# KiCad board PANEL_COM_MOD.kicad_pcb (continued)
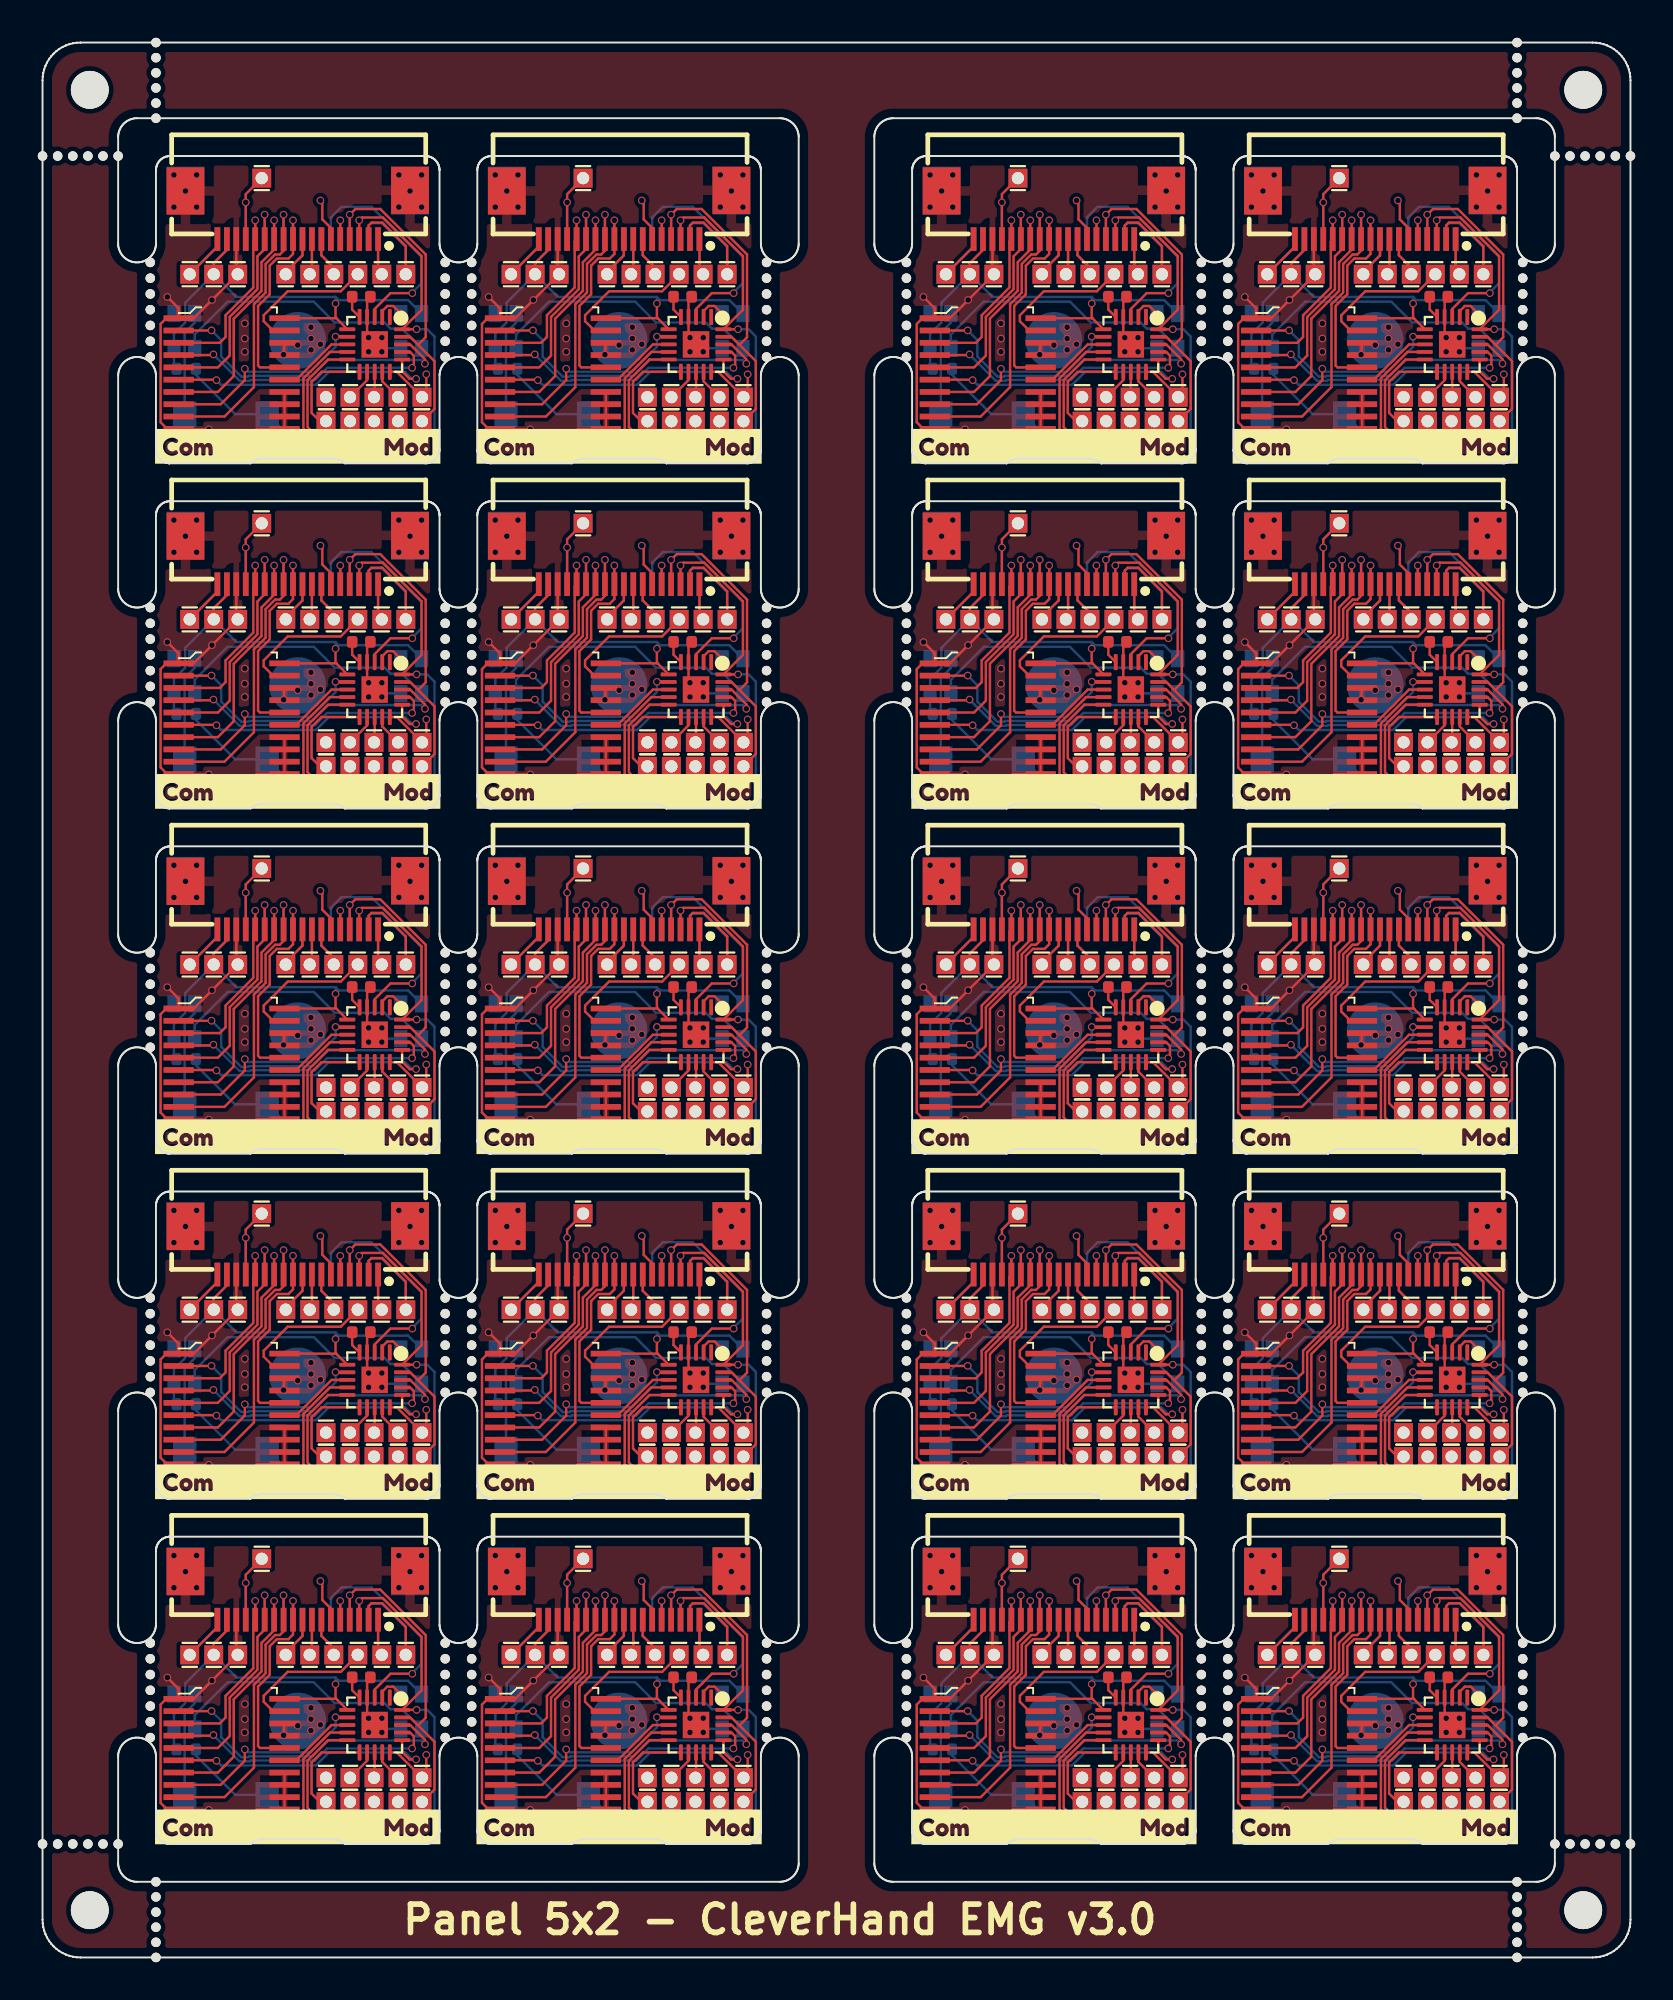
[diagram p0: board, top side]
## Routing (per net, layer and track width the routed paths; a pad name or vN(x,y) marks a point on that pad's centre or on a via; arc(x,y) is an arc through that point) (continued)
Board_11-/POCI: length 4.4
  Top w0.127: 70.75,54.33 70.75,53.5 69.86,52.62 J5#10.1
  Bottom w0.127: 70.75,54.33 70.75,53.5 69.86,52.62 J5#10.1
Board_11-/SCLK: length 4.2
  Top w0.127: J7#20.1 72.41,52.85 71.75,53.5 71.75,54.33
  Bottom w0.127: J7#20.1 72.41,52.85 71.75,53.5 71.75,54.33
Board_11-/SCLK_ARM: length 1.7
  Top w0.127: 73.27,46 74.17,46.9 U1#18.12
Board_11-/SPICS_ARM: length 9.9
  Top w0.127: 74.54,44.73 73.67,43.86 71.27,43.86 70.8,44.33 70.8,46.99 72.2,48.39 U1#18.9
Board_11-/SWDIO/POCI_ARM: length 1.7
  Top w0.127: 75.81,46 74.97,46.84 U1#18.14
Board_11-/Vcap: length 1.2
  Top w0.127: U1#18.5 73.38,50.63 C1#18.2
Board_11-GND: length 34.7
  Top w0.127: U2#3.11 68.32,44.33 v1(68.1,44.1) ; U2#3.11 U2#3.14 69.34,46.28 ; U2#3.11 70.45,44.33 ; U2#3.17 v1(69.75,48.25) U2#3.18 ; U2#3.1 65,50.18 v1(65.96,51.14) J2#17.1 67.25,52.58 67.25,54.33 ; U2#3.1 63.55,50.18 63.25,49.87 63.25,44.67 63.59,44.33 U2#3.10 64.22,44.3 v1(65.8,44.3) ; U2#3.1 64.2,50.7 v1(63.6,51.3) ; U1#18.21 74.25,49.11 v1(74.25,49.15) 74.21,49.15 74.17,49.19 U1#18.4 74.17,51.14 C1#18.1
  Bottom w0.127: 75.95,48.59 75.13,48.59 v1(74.95,48.4) 74.76,48.59 74.66,48.59 ; J2#17.1 67.25,52.58 67.25,54.33 ; 64.51,45.1 64.51,49.4 65.05,49.94 65.05,50.42 65.24,50.42 v1(65.96,51.14)
  vias: v1(63.95,57.75) v1(63.95,56.05) v1(64.56,56.9) v1(65.15,57.75) v1(65.15,56.05) v1(67.7,49.9) v1(67.7,49.1) v1(67.7,48.4) v1(70.5,48.75) v1(71.2,49.7) v1(71.2,49.1) v1(71.2,48.5) v1(71.7,48.8) v1(74.25,48.4) v1(74.95,49.15) v1(75.85,57.75) v1(75.85,56.05) v1(76.44,56.9) v1(77.05,57.75) v1(77.05,56.05)
Board_11-Net-(LED1-DO): length 14.5
  Bottom w0.127: 65.05,48.59 65.05,49.31 66.79,51.05 71.35,51.05 72.45,49.95 75.09,49.95 75.41,49.63 76.01,49.63 77.05,48.59
Board_12-+3.3V: length 26.7
  Top w0.127: v1(15.5,32.7) 15.5,31.96 15.55,31.91 ; 9.75,36.08 9.75,35.54 9.05,34.84 J1#3.1 ; U2#18.20 15.53,31.93 15.55,31.91 ; 15.55,31.91 U1#4.6
  Bottom w0.127: 15.5,33.05 10.25,33.05 J1#3.1 ; 15.5,33.05 15.67,32.88 19.34,32.88 20.05,32.17 ; 15.5,33.05 v1(15.5,32.7) ; 9.75,36.08 9.75,35.54 9.05,34.84 J1#3.1 ; J1#3.1 7.55,32.74 7.55,31.7 6.95,31.1 6.95,29.39 R1#6.1
Board_12-/addr_bus_0: length 10.5
  Top w0.127: U2#18.3 9.37,30.63 9.68,30.93 9.68,32.08 11.15,33.55 11.15,35.98 11.25,36.08 v1(11.25,37.1)
  Bottom w0.127: 11.25,36.08 v1(11.25,37.1)
Board_12-/addr_bus_1: length 12.5
  Top w0.127: U2#18.5 9.27,29.33 9.9,29.95 9.9,31.99 11.37,33.46 11.37,35.2 11.75,35.58 v1(11.75,37.4)
  Bottom w0.127: 11.75,36.08 v1(11.75,37.4)
Board_12-/addr_bus_2: length 13.4
  Top w0.127: U2#18.7 9.27,28.03 10.12,28.87 10.12,31.9 11.58,33.37 11.58,34.88 12.25,35.55 v1(12.25,37.1)
  Bottom w0.127: 12.25,36.08 v1(12.25,37.1)
Board_12-/addr_bus_3: length 15.9
  Top w0.127: U2#18.9 9.62,26.73 11.18,28.28 11.18,32.66 11.8,33.28 11.8,34.79 12.3,35.3 12.55,35.3 12.75,35.49 v1(12.75,37.4)
  Bottom w0.127: 12.75,36.08 v1(12.75,37.4)
Board_12-/addr_bus_4: length 11.3
  Top w0.127: v1(13.25,37.1) 13.25,35.32 13.01,35.08 12.39,35.08 12.02,34.7 12.02,33.19 11.4,32.57 11.4,29.43 11.5,29.33 U2#18.16
  Bottom w0.127: 13.25,36.08 v1(13.25,37.1)
Board_12-/addr_mod_0: length 16.8
  Top w0.127: U1#4.18 19.44,30.54 20.23,29.76 v1(20.23,29.52) ; U2#18.2 8.93,31.28 v1(8.94,31.28)
  Bottom w0.127: v1(8.94,31.28) 9.45,30.77 9.45,29.9 10.51,28.84 10.87,28.84 10.91,28.88 14.27,28.88 15.12,29.72 20.03,29.72 v1(20.23,29.52)
Board_12-/addr_mod_1: length 14.6
  Top w0.127: U2#18.4 9,29.98 v1(9.04,30.01) ; U1#4.17 19.44,30.14 19.64,29.95 19.64,29.45 19.55,29.36 v1(19.55,29.3)
  Bottom w0.127: v1(19.55,29.3) 15.05,29.3 14.41,28.66 11,28.66 10.96,28.62 10.42,28.62 9.04,30 v1(9.04,30.01)
Board_12-/addr_mod_2: length 14.6
  Top w0.127: v1(9.2,28.65) 9.17,28.68 U2#18.6 ; v1(19.76,28.72) 19.42,28.72 19.02,29.12 U1#4.16
  Bottom w0.127: v1(19.76,28.72) 19.55,28.72 19.18,29.08 15.14,29.08 14.46,28.4 9.45,28.4 v1(9.2,28.65)
Board_12-/addr_mod_3: length 11.2
  Top w0.127: U1#4.7 15.69,30.94 15.68,30.95 v1(15.5,30.95) ; U2#18.8 9.42,27.38 10.7,28.65 v1(10.7,29.25)
  Bottom w0.127: v1(10.7,29.25) 10.85,29.1 14.18,29.1 15.5,30.41 v1(15.5,30.95)
Board_12-/addr_mod_4: length 4.1
  Top w0.127: U1#4.8 16.12,30.54 15.29,30.54 13.42,28.68 U2#18.15
Board_12-/AIN0: length 5.3
  Top w0.127: U1#4.11 14.76,29.09 14.23,28.56 14.23,26.92 14.67,26.48 15,26.48
Board_12-/AUX1: length 4.9
  Top w0.127: 9.25,36.08 9.25,35.72 J19.1
  Bottom w0.127: 9.25,36.08 9.25,35.72 J19.1
Board_12-/AUX2: length 9.5
  Top w0.127: 17.25,36.08 17.25,36.83 17.4,36.98 17.97,36.98 19.21,35.73 J20#13.1
  Bottom w0.127: 17.25,36.08 17.25,36.83 17.37,36.95 17.96,36.95 19.21,35.69 J20#13.1
Board_12-/AUX3: length 5.6
  Top w0.127: J3#7.1 10.75,38.49 v1(10.75,38.05) 10.75,36.08
  Bottom w0.127: v1(10.75,38.05) 10.75,36.08
Board_12-/CSB: length 7.5
  Top w0.127: J8#17.1 15.77,33.35 12.97,33.35 11.7,32.08 11.7,31.77 12.19,31.28 U2#18.19
Board_12-/extRef: length 3.8
  Top w0.127: J9#18.1 17.75,34.45 17.75,36.08
  Bottom w0.127: 17.75,36.08 17.75,34.45 J9#18.1
Board_12-/GPIO: length 17.7
  Top w0.127: U1#4.10 15.1,29.74 14.02,28.65 14.02,26.17 14.36,25.83 15.62,25.83 16.27,26.48
  Bottom w0.127: 16.27,26.48 15.62,25.83 12.91,25.83 11.88,26.85 10.19,26.85 8.11,28.93 R1#6.2
Board_12-/i2C_SCL: length 19.7
  Top w0.127: v1(19.79,31.34) U1#4.20 20.05,32.37 20.05,35.21 18.01,37.25 16.9,37.25 v1(16.75,37.1) 16.75,36.08
  Bottom w0.127: v1(16.75,37.1) 16.75,36.08 ; v1(19.79,31.34) 20.35,31.34 20.73,30.96 20.73,25.83 19.46,25.83 18.81,26.48
Board_12-/I2C_SDA: length 18.4
  Top w0.127: U1#4.19 19.44,30.94 19.87,30.52 ; 19.87,30.52 20.27,30.92 20.27,35.3 17.86,37.7 16.55,37.7 v1(16.25,37.4) 16.25,36.08 ; 19.87,30.52 20.73,29.65 20.73,27.13 20.08,26.48
  Bottom w0.127: v1(16.25,37.4) 16.25,36.08
Board_12-/IO1_in: length 12.2
  Top w0.127: v1(19.56,33.25) 18.4,33.25 17.57,32.42 U1#4.3
  Bottom w0.127: 15.25,36.08 15.25,37.25 15.81,37.81 17.4,37.81 20.05,35.16 20.05,33.78 19.56,33.29 v1(19.56,33.25)
Board_12-/IO1_out: length 19.7
  Top w0.127: v1(20.3,28.96) 20.3,27.97 20.08,27.75 18.74,29.09 U1#4.15 ; 15.25,36.08 15.25,36.7 14.8,37.15 14.8,38.05 v1(14.7,38.15)
  In2.Cu w0.127: v1(14.7,38.15) 14.9,38.35 17.65,38.35 20.64,35.36 20.64,29.3 v1(20.3,28.96)
Board_12-/IO2: length 2.1
  Top w0.127: v1(15.75,37.1) 15.75,36.08
  Bottom w0.127: 15.75,36.08 v1(15.75,37.1)
Board_12-/LED_IN: length 1.6
  Top w0.127: U1#4.2 17.97,32.3 18.23,32.57 18.55,32.57 v1(18.95,32.17)
Board_12-/PICO: length 3.7
  Top w0.127: 14.25,36.08 14.25,34.37 J6#14.1
  Bottom w0.127: J6#14.1 14.25,34.37 14.25,36.08
Board_12-/PICO_ARM: length 1.4
  Top w0.127: 17.54,27.75 17.57,27.78 U1#4.13
Board_12-/POCI: length 4.4
  Top w0.127: J5#3.1 12.86,34.37 13.75,35.25 13.75,36.08
  Bottom w0.127: 13.75,36.08 13.75,35.25 12.86,34.37 J5#3.1
Board_12-/SCLK: length 4.2
  Top w0.127: J7#14.1 15.41,34.6 14.75,35.25 14.75,36.08
  Bottom w0.127: 14.75,36.08 14.75,35.25 15.41,34.6 J7#14.1
Board_12-/SCLK_ARM: length 1.7
  Top w0.127: 16.27,27.75 17.17,28.65 U1#4.12
Board_12-/SPICS_ARM: length 9.9
  Top w0.127: 17.54,26.48 16.67,25.61 14.27,25.61 13.8,26.08 13.8,28.74 15.2,30.14 U1#4.9
Board_12-/SWDIO/POCI_ARM: length 1.7
  Top w0.127: U1#4.14 17.97,28.59 18.81,27.75
Board_12-/Vcap: length 1.2
  Top w0.127: C1#8.2 16.38,32.38 U1#4.5
Board_12-GND: length 34.7
  Top w0.127: C1#8.1 17.17,32.89 U1#4.4 17.17,30.94 17.21,30.9 v1(17.25,30.9) 17.25,30.86 U1#4.21 ; v1(6.6,33.05) 7.2,32.45 U2#18.1 ; v1(11.1,25.85) 11.32,26.08 U2#18.11 ; U2#18.1 6.55,31.93 6.25,31.62 6.25,26.42 6.59,26.08 U2#18.10 7.23,26.05 v1(8.8,26.05) ; U2#18.1 8,31.93 v1(8.96,32.89) J2.1 10.25,34.33 10.25,36.08 ; U2#18.11 U2#18.14 12.34,28.03 ; U2#18.11 13.45,26.08 ; U2#18.18 v1(12.75,30) U2#18.17
  Bottom w0.127: 17.66,30.34 17.76,30.34 v1(17.95,30.15) 18.13,30.34 18.95,30.34 ; 10.25,36.08 10.25,34.33 J2.1 ; v1(8.96,32.89) 8.24,32.17 8.05,32.17 8.05,31.69 7.51,31.15 7.51,26.85
  vias: v1(6.95,39.5) v1(6.95,37.8) v1(7.56,38.65) v1(8.15,39.5) v1(8.15,37.8) v1(10.7,31.65) v1(10.7,30.85) v1(10.7,30.15) v1(13.5,30.5) v1(14.2,31.45) v1(14.2,30.85) v1(14.2,30.25) v1(14.7,30.55) v1(17.25,30.15) v1(17.95,30.9) v1(18.85,39.5) v1(18.85,37.8) v1(19.44,38.65) v1(20.05,39.5) v1(20.05,37.8)
Board_12-Net-(LED1-DO): length 14.5
  Bottom w0.127: 20.05,30.34 19.01,31.38 18.41,31.38 18.09,31.7 15.45,31.7 14.35,32.8 9.79,32.8 8.05,31.06 8.05,30.34
Board_13-+3.3V: length 26.7
  Top w0.127: U1#12.6 32.55,31.91 ; 32.55,31.91 32.53,31.93 U2.20 ; 32.55,31.91 32.5,31.96 v1(32.5,32.7) ; 26.75,36.08 26.75,35.54 26.05,34.84 J1#5.1
  Bottom w0.127: J1#5.1 27.26,33.05 32.5,33.05 ; J1#5.1 24.55,32.74 24.55,31.7 23.95,31.1 23.95,29.39 R1#16.1 ; J1#5.1 26.05,34.84 26.75,35.54 26.75,36.08 ; 32.5,33.05 v1(32.5,32.7) ; 32.5,33.05 32.67,32.88 36.34,32.88 37.05,32.17
Board_13-/addr_bus_0: length 10.5
  Top w0.127: U2.3 26.37,30.63 26.68,30.93 26.68,32.08 28.15,33.55 28.15,35.98 28.25,36.08 v1(28.25,37.1)
  Bottom w0.127: 28.25,36.08 v1(28.25,37.1)
Board_13-/addr_bus_1: length 12.5
  Top w0.127: U2.5 26.27,29.33 26.9,29.95 26.9,31.99 28.37,33.46 28.37,35.2 28.75,35.58 v1(28.75,37.4)
  Bottom w0.127: 28.75,36.08 v1(28.75,37.4)
Board_13-/addr_bus_2: length 13.4
  Top w0.127: v1(29.25,37.1) 29.25,35.55 28.58,34.88 28.58,33.37 27.12,31.9 27.12,28.87 26.27,28.03 U2.7
  Bottom w0.127: 29.25,36.08 v1(29.25,37.1)
Board_13-/addr_bus_3: length 15.9
  Top w0.127: U2.9 26.62,26.73 28.18,28.28 28.18,32.66 28.8,33.28 28.8,34.79 29.3,35.3 29.55,35.3 29.75,35.49 v1(29.75,37.4)
  Bottom w0.127: 29.75,36.08 v1(29.75,37.4)
Board_13-/addr_bus_4: length 11.3
  Top w0.127: U2.16 28.5,29.33 28.4,29.43 28.4,32.57 29.02,33.19 29.02,34.7 29.39,35.08 30.01,35.08 30.25,35.32 v1(30.25,37.1)
  Bottom w0.127: 30.25,36.08 v1(30.25,37.1)
Board_13-/addr_mod_0: length 16.8
  Top w0.127: v1(25.94,31.28) 25.93,31.28 U2.2 ; v1(37.23,29.52) 37.23,29.76 36.44,30.54 U1#12.18
  Bottom w0.127: v1(25.94,31.28) 26.45,30.77 26.45,29.9 27.51,28.84 27.87,28.84 27.91,28.88 31.27,28.88 32.12,29.72 37.03,29.72 v1(37.23,29.52)
Board_13-/addr_mod_1: length 14.6
  Top w0.127: U1#12.17 36.44,30.14 36.64,29.95 36.64,29.45 36.55,29.36 v1(36.55,29.3) ; v1(26.04,30.01) 26,29.98 U2.4
  Bottom w0.127: v1(36.55,29.3) 32.05,29.3 31.41,28.66 28,28.66 27.96,28.62 27.42,28.62 26.04,30 v1(26.04,30.01)
Board_13-/addr_mod_2: length 14.6
  Top w0.127: v1(36.76,28.72) 36.42,28.72 36.02,29.12 U1#12.16 ; U2.6 26.17,28.68 v1(26.2,28.65)
  Bottom w0.127: v1(36.76,28.72) 36.55,28.72 36.18,29.08 32.14,29.08 31.46,28.4 26.45,28.4 v1(26.2,28.65)
Board_13-/addr_mod_3: length 11.2
  Top w0.127: v1(32.5,30.95) 32.68,30.95 32.69,30.94 U1#12.7 ; U2.8 26.42,27.38 27.7,28.65 v1(27.7,29.25)
  Bottom w0.127: v1(27.7,29.25) 27.85,29.1 31.18,29.1 32.5,30.41 v1(32.5,30.95)
Board_13-/addr_mod_4: length 4.1
  Top w0.127: U2.15 30.42,28.68 32.29,30.54 33.12,30.54 U1#12.8
Board_13-/AIN0: length 5.3
  Top w0.127: U1#12.11 31.76,29.09 31.23,28.56 31.23,26.92 31.67,26.48 32,26.48
Board_13-/AUX1: length 4.9
  Top w0.127: J19#19.1 26.25,35.72 26.25,36.08
  Bottom w0.127: J19#19.1 26.25,35.72 26.25,36.08
Board_13-/AUX2: length 9.5
  Top w0.127: J20#7.1 36.22,35.73 34.97,36.98 34.4,36.98 34.25,36.83 34.25,36.08
  Bottom w0.127: J20#7.1 36.22,35.69 34.96,36.95 34.37,36.95 34.25,36.83 34.25,36.08
Board_13-/AUX3: length 5.6
  Top w0.127: J3#16.1 27.75,38.49 v1(27.75,38.05) 27.75,36.08
  Bottom w0.127: v1(27.75,38.05) 27.75,36.08
Board_13-/CSB: length 7.5
  Top w0.127: J8#14.1 32.77,33.35 29.97,33.35 28.7,32.08 28.7,31.77 29.19,31.28 U2.19
Board_13-/extRef: length 3.8
  Top w0.127: 34.75,36.08 34.75,34.45 J9#20.1
  Bottom w0.127: J9#20.1 34.75,34.45 34.75,36.08
Board_13-/GPIO: length 17.7
  Top w0.127: U1#12.10 32.1,29.74 31.02,28.65 31.02,26.17 31.36,25.83 32.62,25.83 33.27,26.48
  Bottom w0.127: 33.27,26.48 32.62,25.83 29.91,25.83 28.88,26.85 27.19,26.85 25.11,28.93 R1#16.2
Board_13-/i2C_SCL: length 19.7
  Top w0.127: 33.75,36.08 v1(33.75,37.1) 33.9,37.25 35.01,37.25 37.05,35.21 37.05,32.37 U1#12.20 v1(36.79,31.34)
  Bottom w0.127: v1(33.75,37.1) 33.75,36.08 ; 35.81,26.48 36.46,25.83 37.73,25.83 37.73,30.96 37.35,31.34 v1(36.79,31.34)
Board_13-/I2C_SDA: length 18.4
  Top w0.127: 36.87,30.52 37.27,30.92 37.27,35.3 34.86,37.7 33.55,37.7 v1(33.25,37.4) 33.25,36.08 ; 36.87,30.52 36.44,30.94 U1#12.19 ; 36.87,30.52 37.73,29.65 37.73,27.13 37.08,26.48
  Bottom w0.127: v1(33.25,37.4) 33.25,36.08
Board_13-/IO1_in: length 12.2
  Top w0.127: v1(36.56,33.25) 35.4,33.25 34.57,32.42 U1#12.3
  Bottom w0.127: v1(36.56,33.25) 36.56,33.29 37.05,33.78 37.05,35.16 34.4,37.81 32.81,37.81 32.25,37.25 32.25,36.08
Board_13-/IO1_out: length 19.7
  Top w0.127: v1(37.3,28.96) 37.3,27.97 37.08,27.75 35.74,29.09 U1#12.15 ; 32.25,36.08 32.25,36.7 31.8,37.15 31.8,38.05 v1(31.7,38.15)
  In2.Cu w0.127: v1(37.3,28.96) 37.64,29.3 37.64,35.36 34.65,38.35 31.9,38.35 v1(31.7,38.15)
Board_13-/IO2: length 2.1
  Top w0.127: v1(32.75,37.1) 32.75,36.08
  Bottom w0.127: 32.75,36.08 v1(32.75,37.1)
Board_13-/LED_IN: length 1.6
  Top w0.127: v1(35.95,32.17) 35.55,32.57 35.23,32.57 34.97,32.3 U1#12.2
Board_13-/PICO: length 3.7
  Top w0.127: J6#12.1 31.25,34.37 31.25,36.08
  Bottom w0.127: 31.25,36.08 31.25,34.37 J6#12.1
Board_13-/PICO_ARM: length 1.4
  Top w0.127: U1#12.13 34.57,27.78 34.54,27.75
Board_13-/POCI: length 4.4
  Top w0.127: 30.75,36.08 30.75,35.25 29.87,34.37 J5#9.1
  Bottom w0.127: J5#9.1 29.87,34.37 30.75,35.25 30.75,36.08
Board_13-/SCLK: length 4.2
  Top w0.127: J7#8.1 32.41,34.6 31.75,35.25 31.75,36.08
  Bottom w0.127: J7#8.1 32.41,34.6 31.75,35.25 31.75,36.08
Board_13-/SCLK_ARM: length 1.7
  Top w0.127: 33.27,27.75 34.17,28.65 U1#12.12
Board_13-/SPICS_ARM: length 9.9
  Top w0.127: 34.54,26.48 33.67,25.61 31.27,25.61 30.8,26.08 30.8,28.74 32.2,30.14 U1#12.9
Board_13-/SWDIO/POCI_ARM: length 1.7
  Top w0.127: 35.81,27.75 34.97,28.59 U1#12.14
Board_13-/Vcap: length 1.2
  Top w0.127: C1#3.2 33.38,32.38 U1#12.5
Board_13-GND: length 34.7
  Top w0.127: U2.17 v1(29.75,30) U2.18 ; U2.1 24.2,32.45 v1(23.6,33.05) ; U2.1 25,31.93 v1(25.96,32.89) J2#19.1 27.25,34.33 27.25,36.08 ; U2.1 23.55,31.93 23.25,31.62 23.25,26.42 23.59,26.08 U2.10 24.23,26.05 v1(25.8,26.05) ; U2.11 U2.14 29.34,28.03 ; U2.11 30.45,26.08 ; U2.11 28.32,26.08 v1(28.1,25.85) ; C1#3.1 34.17,32.89 U1#12.4 34.17,30.94 34.21,30.9 v1(34.25,30.9) 34.25,30.86 U1#12.21
  Bottom w0.127: 24.51,26.85 24.51,31.15 25.05,31.69 25.05,32.17 25.24,32.17 v1(25.96,32.89) ; 35.95,30.34 35.13,30.34 v1(34.95,30.15) 34.76,30.34 34.66,30.34 ; 27.25,36.08 27.25,34.33 J2#19.1
  vias: v1(23.95,39.5) v1(23.95,37.8) v1(24.56,38.65) v1(25.15,39.5) v1(25.15,37.8) v1(27.7,31.65) v1(27.7,30.85) v1(27.7,30.15) v1(30.5,30.5) v1(31.2,31.45) v1(31.2,30.85) v1(31.2,30.25) v1(31.7,30.55) v1(34.25,30.15) v1(34.95,30.9) v1(35.85,39.5) v1(35.85,37.8) v1(36.44,38.65) v1(37.05,39.5) v1(37.05,37.8)
Board_13-Net-(LED1-DO): length 14.5
  Bottom w0.127: 37.05,30.34 36.01,31.38 35.41,31.38 35.09,31.7 32.45,31.7 31.35,32.8 26.79,32.8 25.05,31.06 25.05,30.34
Board_14-+3.3V: length 26.7
  Top w0.127: U1#5.6 55.55,31.91 ; 55.55,31.91 55.53,31.93 U2#4.20 ; 55.55,31.91 55.5,31.96 v1(55.5,32.7) ; 49.75,36.08 49.75,35.54 49.05,34.84 J1#13.1
  Bottom w0.127: 55.5,33.05 v1(55.5,32.7) ; 55.5,33.05 50.26,33.05 J1#13.1 ; 55.5,33.05 55.67,32.88 59.34,32.88 60.05,32.17 ; R1#4.1 46.95,29.39 46.95,31.1 47.55,31.7 47.55,32.74 J1#13.1 ; J1#13.1 49.05,34.84 49.75,35.54 49.75,36.08
Board_14-/addr_bus_0: length 10.5
  Top w0.127: U2#4.3 49.37,30.63 49.68,30.93 49.68,32.08 51.15,33.55 51.15,35.98 51.25,36.08 v1(51.25,37.1)
  Bottom w0.127: 51.25,36.08 v1(51.25,37.1)
Board_14-/addr_bus_1: length 12.5
  Top w0.127: v1(51.75,37.4) 51.75,35.58 51.37,35.2 51.37,33.46 49.9,31.99 49.9,29.95 49.27,29.33 U2#4.5
  Bottom w0.127: 51.75,36.08 v1(51.75,37.4)
Board_14-/addr_bus_2: length 13.4
  Top w0.127: v1(52.25,37.1) 52.25,35.55 51.58,34.88 51.58,33.37 50.12,31.9 50.12,28.87 49.27,28.03 U2#4.7
  Bottom w0.127: 52.25,36.08 v1(52.25,37.1)
Board_14-/addr_bus_3: length 15.9
  Top w0.127: v1(52.75,37.4) 52.75,35.49 52.55,35.3 52.3,35.3 51.8,34.79 51.8,33.28 51.18,32.66 51.18,28.28 49.62,26.73 U2#4.9
  Bottom w0.127: 52.75,36.08 v1(52.75,37.4)
Board_14-/addr_bus_4: length 11.3
  Top w0.127: U2#4.16 51.5,29.33 51.4,29.43 51.4,32.57 52.02,33.19 52.02,34.7 52.39,35.08 53.01,35.08 53.25,35.32 v1(53.25,37.1)
  Bottom w0.127: 53.25,36.08 v1(53.25,37.1)
Board_14-/addr_mod_0: length 16.8
  Top w0.127: v1(60.23,29.52) 60.23,29.76 59.44,30.54 U1#5.18 ; v1(48.94,31.28) 48.93,31.28 U2#4.2
  Bottom w0.127: v1(60.23,29.52) 60.03,29.72 55.12,29.72 54.27,28.88 50.91,28.88 50.87,28.84 50.51,28.84 49.45,29.9 49.45,30.77 v1(48.94,31.28)
Board_14-/addr_mod_1: length 14.6
  Top w0.127: U2#4.4 49,29.98 v1(49.04,30.01) ; U1#5.17 59.44,30.14 59.64,29.95 59.64,29.45 59.55,29.36 v1(59.55,29.3)
  Bottom w0.127: v1(49.04,30.01) 49.04,30 50.42,28.62 50.96,28.62 51,28.66 54.41,28.66 55.05,29.3 v1(59.55,29.3)
Board_14-/addr_mod_2: length 14.6
  Top w0.127: v1(59.76,28.72) 59.42,28.72 59.02,29.12 U1#5.16 ; v1(49.2,28.65) 49.17,28.68 U2#4.6
  Bottom w0.127: v1(49.2,28.65) 49.45,28.4 54.46,28.4 55.14,29.08 59.18,29.08 59.55,28.72 v1(59.76,28.72)
Board_14-/addr_mod_3: length 11.2
  Top w0.127: v1(50.7,29.25) 50.7,28.65 49.42,27.38 U2#4.8 ; U1#5.7 55.69,30.94 55.68,30.95 v1(55.5,30.95)
  Bottom w0.127: v1(55.5,30.95) 55.5,30.41 54.18,29.1 50.85,29.1 v1(50.7,29.25)
Board_14-/addr_mod_4: length 4.1
  Top w0.127: U2#4.15 53.42,28.68 55.29,30.54 56.12,30.54 U1#5.8
Board_14-/AIN0: length 5.3
  Top w0.127: 55,26.48 54.67,26.48 54.23,26.92 54.23,28.56 54.76,29.09 U1#5.11
Board_14-/AUX1: length 4.9
  Top w0.127: 49.25,36.08 49.25,35.72 J19#18.1
  Bottom w0.127: J19#18.1 49.25,35.72 49.25,36.08
Board_14-/AUX2: length 9.5
  Top w0.127: 57.25,36.08 57.25,36.83 57.4,36.98 57.97,36.98 59.22,35.73 J20#20.1
  Bottom w0.127: 57.25,36.08 57.25,36.83 57.37,36.95 57.96,36.95 59.22,35.69 J20#20.1
Board_14-/AUX3: length 5.6
  Top w0.127: 50.75,36.08 v1(50.75,38.05) 50.75,38.49 J3#20.1
  Bottom w0.127: v1(50.75,38.05) 50.75,36.08
Board_14-/CSB: length 7.5
  Top w0.127: U2#4.19 52.19,31.28 51.7,31.77 51.7,32.08 52.97,33.35 55.77,33.35 J8#6.1
Board_14-/extRef: length 3.8
  Top w0.127: J9#10.1 57.75,34.45 57.75,36.08
  Bottom w0.127: J9#10.1 57.75,34.45 57.75,36.08
Board_14-/GPIO: length 17.7
  Top w0.127: 56.27,26.48 55.62,25.83 54.36,25.83 54.02,26.17 54.02,28.65 55.1,29.74 U1#5.10
  Bottom w0.127: 56.27,26.48 55.62,25.83 52.91,25.83 51.88,26.85 50.19,26.85 48.11,28.93 R1#4.2
Board_14-/i2C_SCL: length 19.7
  Top w0.127: v1(59.79,31.34) U1#5.20 60.05,32.37 60.05,35.21 58.01,37.25 56.9,37.25 v1(56.75,37.1) 56.75,36.08
  Bottom w0.127: v1(56.75,37.1) 56.75,36.08 ; v1(59.79,31.34) 60.35,31.34 60.73,30.96 60.73,25.83 59.46,25.83 58.81,26.48
Board_14-/I2C_SDA: length 18.4
  Top w0.127: 56.25,36.08 v1(56.25,37.4) 56.55,37.7 57.86,37.7 60.27,35.3 60.27,30.92 59.87,30.52 ; 60.08,26.48 60.73,27.13 60.73,29.65 59.87,30.52 ; U1#5.19 59.44,30.94 59.87,30.52
  Bottom w0.127: v1(56.25,37.4) 56.25,36.08
Board_14-/IO1_in: length 12.2
  Top w0.127: U1#5.3 57.57,32.42 58.4,33.25 v1(59.56,33.25)
  Bottom w0.127: 55.25,36.08 55.25,37.25 55.81,37.81 57.4,37.81 60.05,35.16 60.05,33.78 59.56,33.29 v1(59.56,33.25)
Board_14-/IO1_out: length 19.7
  Top w0.127: U1#5.15 58.74,29.09 60.08,27.75 60.3,27.97 v1(60.3,28.96) ; v1(54.7,38.15) 54.8,38.05 54.8,37.15 55.25,36.7 55.25,36.08
  In2.Cu w0.127: v1(54.7,38.15) 54.9,38.35 57.65,38.35 60.64,35.36 60.64,29.3 v1(60.3,28.96)
Board_14-/IO2: length 2.1
  Top w0.127: v1(55.75,37.1) 55.75,36.08
  Bottom w0.127: 55.75,36.08 v1(55.75,37.1)
Board_14-/LED_IN: length 1.6
  Top w0.127: v1(58.95,32.17) 58.55,32.57 58.23,32.57 57.97,32.3 U1#5.2
Board_14-/PICO: length 3.7
  Top w0.127: J6#11.1 54.25,34.37 54.25,36.08
  Bottom w0.127: J6#11.1 54.25,34.37 54.25,36.08
Board_14-/PICO_ARM: length 1.4
  Top w0.127: 57.54,27.75 57.57,27.78 U1#5.13
Board_14-/POCI: length 4.4
  Top w0.127: J5.1 52.87,34.37 53.75,35.25 53.75,36.08
  Bottom w0.127: J5.1 52.87,34.37 53.75,35.25 53.75,36.08
Board_14-/SCLK: length 4.2
  Top w0.127: 54.75,36.08 54.75,35.25 55.41,34.6 J7#6.1
  Bottom w0.127: J7#6.1 55.41,34.6 54.75,35.25 54.75,36.08
Board_14-/SCLK_ARM: length 1.7
  Top w0.127: U1#5.12 57.17,28.65 56.27,27.75
Board_14-/SPICS_ARM: length 9.9
  Top w0.127: U1#5.9 55.2,30.14 53.8,28.74 53.8,26.08 54.27,25.61 56.67,25.61 57.54,26.48
Board_14-/SWDIO/POCI_ARM: length 1.7
  Top w0.127: 58.81,27.75 57.97,28.59 U1#5.14
Board_14-/Vcap: length 1.2
  Top w0.127: U1#5.5 56.38,32.38 C1#10.2
Board_14-GND: length 34.7
  Top w0.127: U2#4.11 U2#4.14 52.34,28.03 ; U2#4.11 53.45,26.08 ; U2#4.11 51.32,26.08 v1(51.1,25.85) ; 50.25,36.08 50.25,34.33 J2#6.1 v1(48.96,32.89) 48,31.93 U2#4.1 ; v1(48.8,26.05) 47.23,26.05 U2#4.10 46.59,26.08 46.25,26.42 46.25,31.62 46.55,31.93 U2#4.1 ; U2#4.17 v1(52.75,30) U2#4.18 ; U2#4.1 47.2,32.45 v1(46.6,33.05) ; C1#10.1 57.17,32.89 U1#5.4 57.17,30.94 57.21,30.9 v1(57.25,30.9) 57.25,30.86 U1#5.21
  Bottom w0.127: J2#6.1 50.25,34.33 50.25,36.08 ; v1(48.96,32.89) 48.24,32.17 48.05,32.17 48.05,31.69 47.51,31.15 47.51,26.85 ; 57.66,30.34 57.76,30.34 v1(57.95,30.15) 58.13,30.34 58.95,30.34
  vias: v1(46.95,39.5) v1(46.95,37.8) v1(47.56,38.65) v1(48.15,39.5) v1(48.15,37.8) v1(50.7,31.65) v1(50.7,30.85) v1(50.7,30.15) v1(53.5,30.5) v1(54.2,31.45) v1(54.2,30.85) v1(54.2,30.25) v1(54.7,30.55) v1(57.25,30.15) v1(57.95,30.9) v1(58.85,39.5) v1(58.85,37.8) v1(59.44,38.65) v1(60.05,39.5) v1(60.05,37.8)
Board_14-Net-(LED1-DO): length 14.5
  Bottom w0.127: 48.05,30.34 48.05,31.06 49.79,32.8 54.35,32.8 55.45,31.7 58.09,31.7 58.41,31.38 59.01,31.38 60.05,30.34
Board_15-+3.3V: length 26.7
  Top w0.127: 72.55,31.91 72.53,31.93 U2#10.20 ; 72.55,31.91 U1#9.6 ; 72.55,31.91 72.5,31.96 v1(72.5,32.7) ; 66.75,36.08 66.75,35.54 66.06,34.84 J1#6.1
  Bottom w0.127: J1#6.1 64.55,32.74 64.55,31.7 63.95,31.1 63.95,29.39 R1#7.1 ; J1#6.1 66.06,34.84 66.75,35.54 66.75,36.08 ; J1#6.1 67.25,33.05 72.5,33.05 ; 72.5,33.05 v1(72.5,32.7) ; 72.5,33.05 72.67,32.88 76.34,32.88 77.05,32.17
Board_15-/addr_bus_0: length 10.5
  Top w0.127: U2#10.3 66.37,30.63 66.68,30.93 66.68,32.08 68.15,33.55 68.15,35.98 68.25,36.08 v1(68.25,37.1)
  Bottom w0.127: 68.25,36.08 v1(68.25,37.1)
Board_15-/addr_bus_1: length 12.5
  Top w0.127: v1(68.75,37.4) 68.75,35.58 68.37,35.2 68.37,33.46 66.9,31.99 66.9,29.95 66.27,29.33 U2#10.5
  Bottom w0.127: 68.75,36.08 v1(68.75,37.4)
Board_15-/addr_bus_2: length 13.4
  Top w0.127: v1(69.25,37.1) 69.25,35.55 68.58,34.88 68.58,33.37 67.12,31.9 67.12,28.87 66.27,28.03 U2#10.7
  Bottom w0.127: 69.25,36.08 v1(69.25,37.1)
Board_15-/addr_bus_3: length 15.9
  Top w0.127: U2#10.9 66.62,26.73 68.18,28.28 68.18,32.66 68.8,33.28 68.8,34.79 69.3,35.3 69.55,35.3 69.75,35.49 v1(69.75,37.4)
  Bottom w0.127: 69.75,36.08 v1(69.75,37.4)
Board_15-/addr_bus_4: length 11.3
  Top w0.127: U2#10.16 68.5,29.33 68.4,29.43 68.4,32.57 69.02,33.19 69.02,34.7 69.39,35.08 70.01,35.08 70.25,35.32 v1(70.25,37.1)
  Bottom w0.127: 70.25,36.08 v1(70.25,37.1)
Board_15-/addr_mod_0: length 16.8
  Top w0.127: v1(65.94,31.28) 65.93,31.28 U2#10.2 ; U1#9.18 76.44,30.54 77.23,29.76 v1(77.23,29.52)
  Bottom w0.127: v1(65.94,31.28) 66.45,30.77 66.45,29.9 67.51,28.84 67.87,28.84 67.91,28.88 71.27,28.88 72.12,29.72 77.03,29.72 v1(77.23,29.52)
Board_15-/addr_mod_1: length 14.6
  Top w0.127: v1(66.04,30.01) 66,29.98 U2#10.4 ; U1#9.17 76.44,30.14 76.64,29.95 76.64,29.45 76.55,29.36 v1(76.55,29.3)
  Bottom w0.127: v1(66.04,30.01) 66.04,30 67.42,28.62 67.96,28.62 68,28.66 71.41,28.66 72.05,29.3 v1(76.55,29.3)
Board_15-/addr_mod_2: length 14.6
  Top w0.127: v1(66.2,28.65) 66.17,28.68 U2#10.6 ; v1(76.76,28.72) 76.42,28.72 76.02,29.12 U1#9.16
  Bottom w0.127: v1(66.2,28.65) 66.45,28.4 71.46,28.4 72.14,29.08 76.18,29.08 76.55,28.72 v1(76.76,28.72)
Board_15-/addr_mod_3: length 11.2
  Top w0.127: U1#9.7 72.69,30.94 72.68,30.95 v1(72.5,30.95) ; v1(67.7,29.25) 67.7,28.65 66.42,27.38 U2#10.8
  Bottom w0.127: v1(67.7,29.25) 67.85,29.1 71.18,29.1 72.5,30.41 v1(72.5,30.95)
Board_15-/addr_mod_4: length 4.1
  Top w0.127: U1#9.8 73.12,30.54 72.29,30.54 70.42,28.68 U2#10.15
Board_15-/AIN0: length 5.3
  Top w0.127: U1#9.11 71.76,29.09 71.23,28.56 71.23,26.92 71.67,26.48 72,26.48
Board_15-/AUX1: length 4.9
  Top w0.127: 66.25,36.08 66.25,35.72 J19#4.1
  Bottom w0.127: 66.25,36.08 66.25,35.72 J19#4.1
Board_15-/AUX2: length 9.5
  Top w0.127: J20#18.1 76.22,35.73 74.97,36.98 74.4,36.98 74.25,36.83 74.25,36.08
  Bottom w0.127: J20#18.1 76.22,35.69 74.96,36.95 74.37,36.95 74.25,36.83 74.25,36.08
Board_15-/AUX3: length 5.6
  Top w0.127: 67.75,36.08 v1(67.75,38.05) 67.75,38.49 J3#3.1
  Bottom w0.127: v1(67.75,38.05) 67.75,36.08
Board_15-/CSB: length 7.5
  Top w0.127: U2#10.19 69.19,31.28 68.7,31.77 68.7,32.08 69.97,33.35 72.78,33.35 J8#4.1
Board_15-/extRef: length 3.8
  Top w0.127: 74.75,36.08 74.75,34.45 J9#17.1
  Bottom w0.127: 74.75,36.08 74.75,34.45 J9#17.1
Board_15-/GPIO: length 17.7
  Top w0.127: 73.27,26.48 72.62,25.83 71.36,25.83 71.02,26.17 71.02,28.65 72.1,29.74 U1#9.10
  Bottom w0.127: 73.27,26.48 72.62,25.83 69.91,25.83 68.88,26.85 67.19,26.85 65.11,28.93 R1#7.2
